# Altium PCB PCB_Layout_1.PcbDoc (part 1 of 3) (continued)
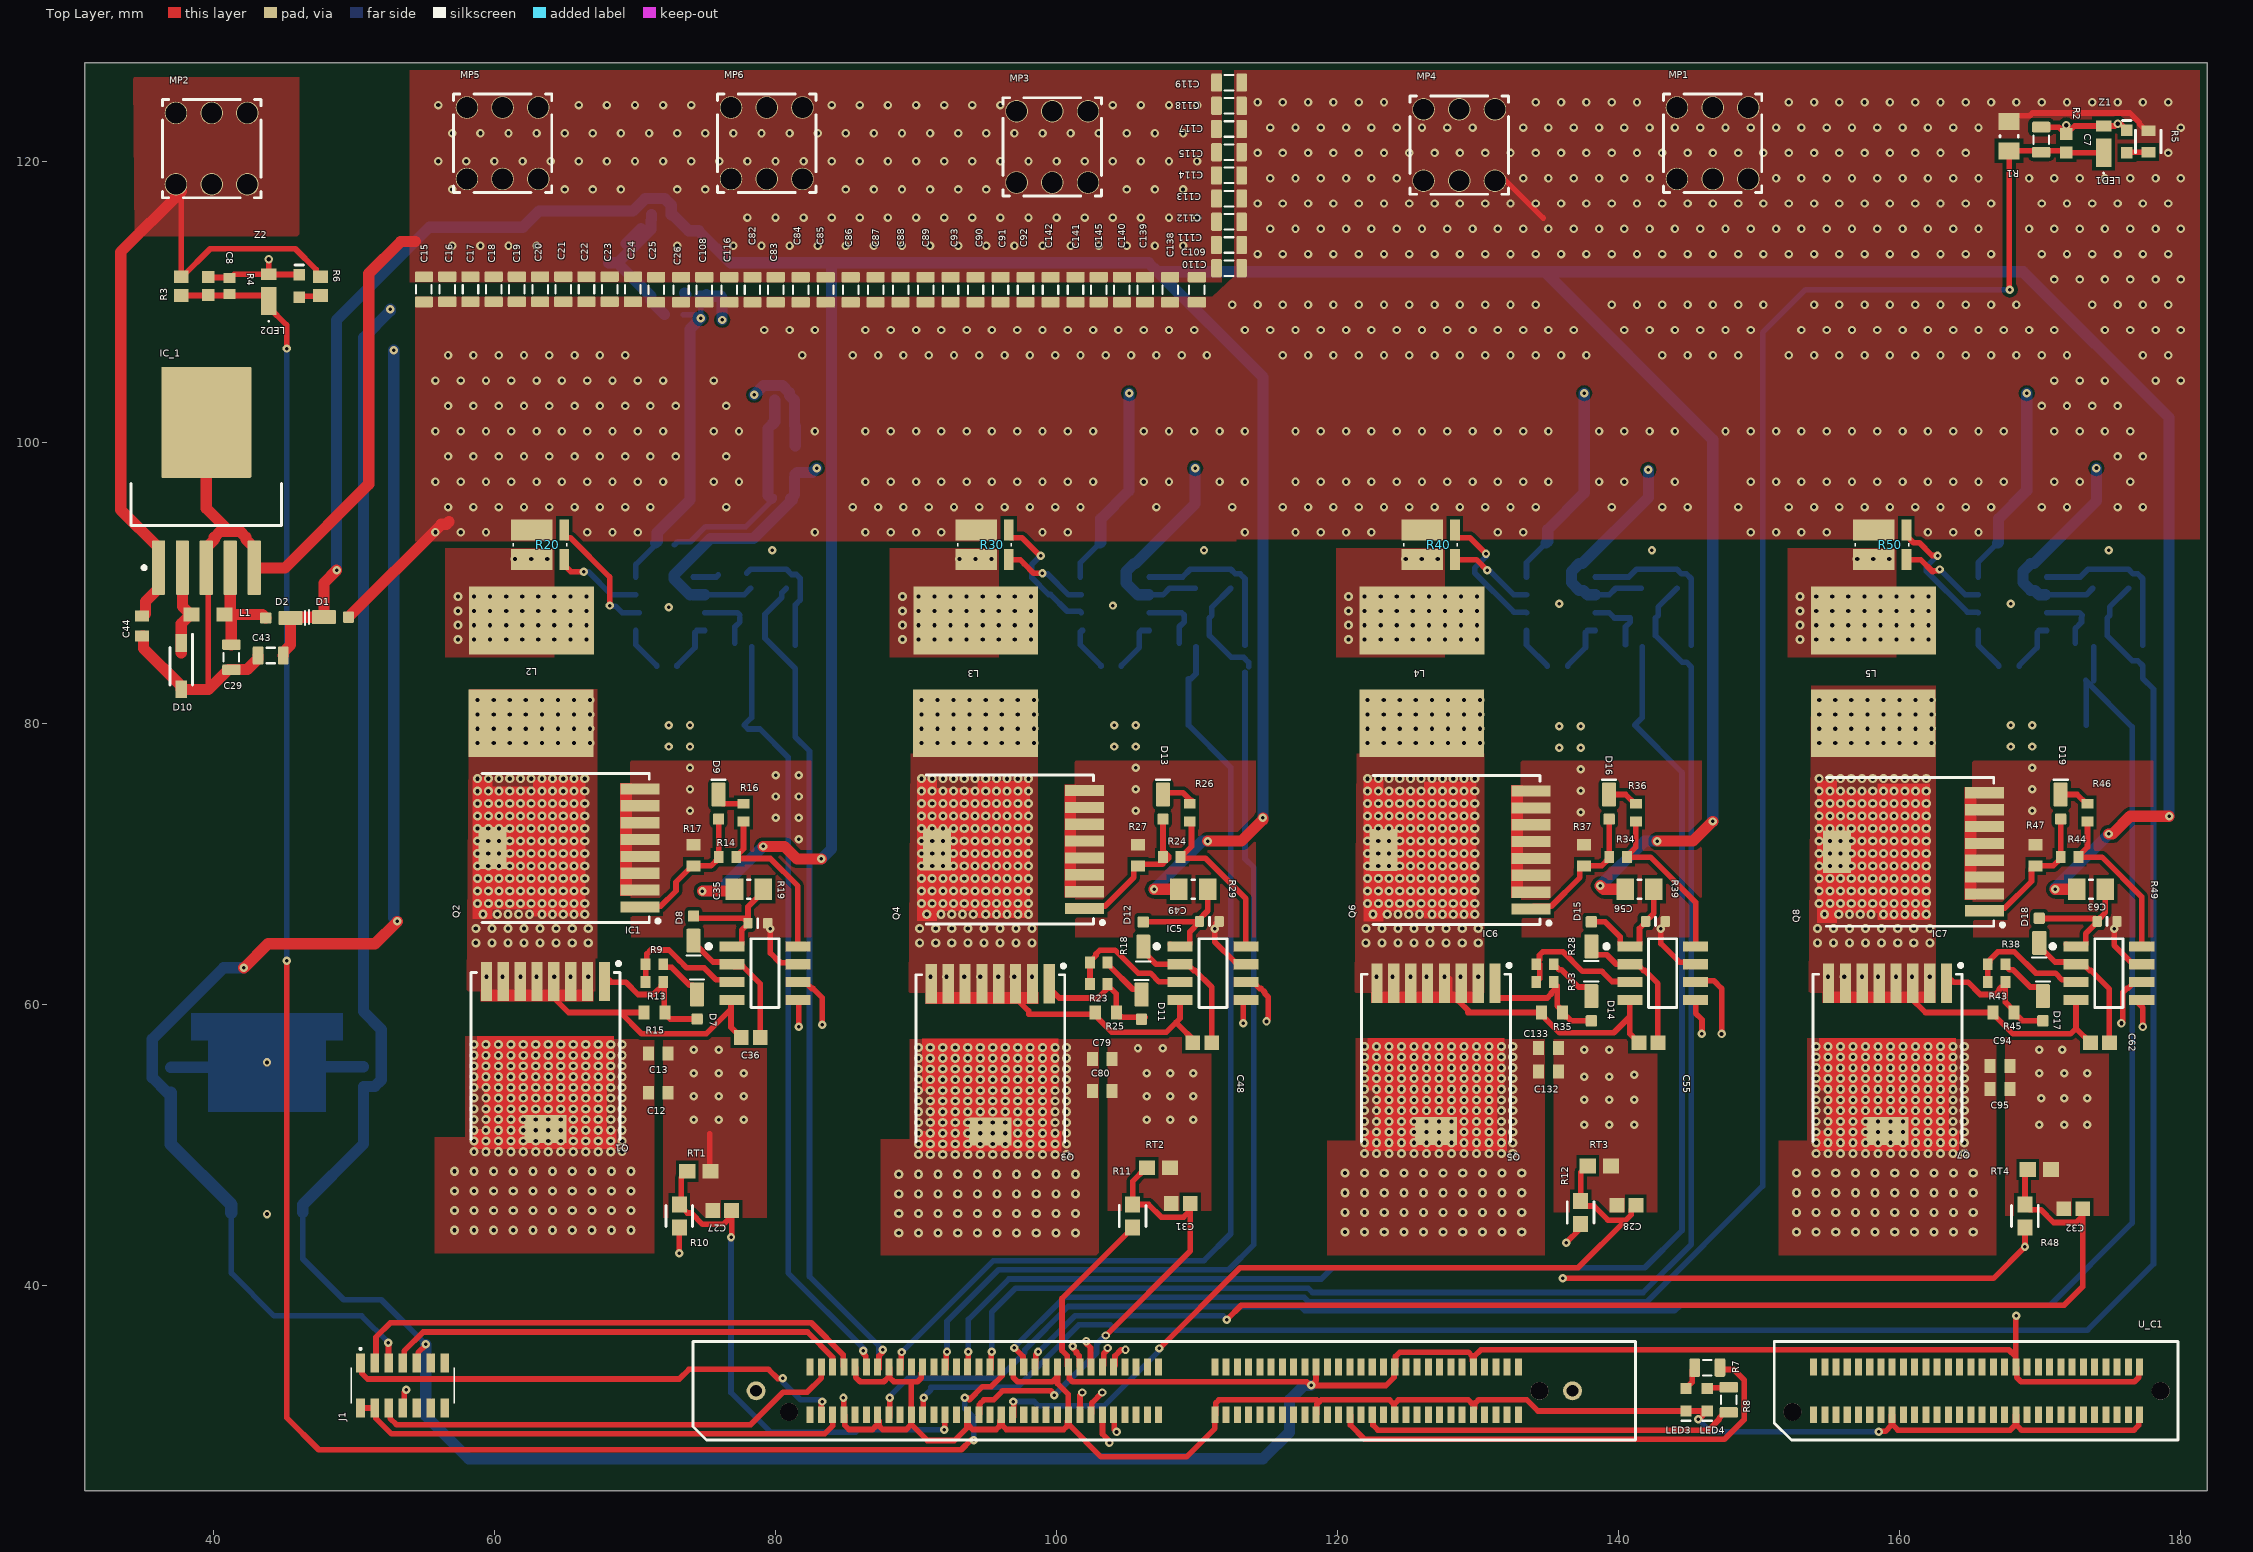
[diagram p0: Top Layer view]
## Components (designator, comment, footprint, x,y, rotation, side; value= is the part's Value field where it differs from the comment) (continued)
C106 "0.1uF" CAPC1608X90N 134.936,60.198 r0 bottom
C107 "0.1uF" CAPC1608X90N 134.936,51.308 r0 bottom
C108 "Capacitor 10µF +/-20% 25V 0805" CAPC0805(2012)145_L 74.93,110.871 r90 top value=10µF
C109 "Capacitor 10µF +/-20% 25V 0805" CAPC0805(2012)145_L 109.982,110.871 r90 top value=10µF
C110 "Capacitor 10µF +/-20% 25V 0805" CAPC0805(2012)145_L 112.268,112.395 r180 top value=10µF
C111 "Capacitor 10µF +/-20% 25V 0805" CAPC0805(2012)145_L 112.268,114.046 r180 top value=10µF
C112 "Capacitor 10µF +/-20% 25V 0805" CAPC0805(2012)145_L 112.268,115.697 r180 top value=10µF
C113 "Capacitor 10µF +/-20% 25V 0805" CAPC0805(2012)145_L 112.268,117.348 r180 top value=10µF
C114 "Capacitor 10µF +/-20% 25V 0805" CAPC0805(2012)145_L 112.268,118.999 r180 top value=10µF
C115 "Capacitor 10µF +/-20% 25V 0805" CAPC0805(2012)145_L 112.268,120.65 r180 top value=10µF
C116 "Capacitor 10µF +/-20% 25V 0805" CAPC0805(2012)145_L 76.708,110.871 r90 top value=10µF
C117 "Capacitor 10µF +/-20% 25V 0805" CAPC0805(2012)145_L 112.268,122.301 r180 top value=10µF
C118 "Capacitor 10µF +/-20% 25V 0805" CAPC0805(2012)145_L 112.268,123.952 r180 top value=10µF
C119 "Capacitor 10µF +/-20% 25V 0805" CAPC0805(2012)145_L 112.268,125.603 r180 top value=10µF
C120 "0.1uF" CAPC1608X90N 167.067,65.151 r0 bottom
C121 "0.1uF" CAPC1608X90N 167.067,63.881 r0 bottom
C122 "0.1uF" CAPC1608X90N 167.067,62.611 r0 bottom
C123 "0.1uF" CAPC1608X90N 167.067,61.341 r0 bottom
C124 "0.1uF" CAPC1608X90N 167.067,60.071 r0 bottom
C125 "0.1uF" CAPC1608X90N 167.067,58.801 r0 bottom
C126 "0.1uF" CAPC1608X90N 167.067,57.531 r0 bottom
C127 "0.1uF" CAPC1608X90N 167.067,56.261 r0 bottom
C128 "0.1uF" CAPC1608X90N 167.067,54.991 r0 bottom
C129 "0.1uF" CAPC1608X90N 167.067,53.721 r0 bottom
C130 "0.1uF" CAPC1608X90N 167.067,52.451 r0 bottom
C131 "0.1uF" CAPC1608X90N 167.067,51.181 r0 bottom
C132 "0.1uF" CAPC1608X90N 135.001,55.245 r0 top
C133 "0.1uF" CAPC1608X90N 135.001,56.896 r0 top
C138 "Capacitor 10µF +/-20% 25V 0805" CAPC0805(2012)145_L 108.077,110.871 r90 top value=10µF
C139 "Capacitor 10µF +/-20% 25V 0805" CAPC0805(2012)145_L 106.299,110.871 r90 top value=10µF
C140 "Capacitor 10µF +/-20% 25V 0805" CAPC0805(2012)145_L 104.648,110.871 r90 top value=10µF
C141 "Capacitor 10µF +/-20% 25V 0805" CAPC0805(2012)145_L 101.346,110.871 r90 top value=10µF
C142 "Capacitor 10µF +/-20% 25V 0805" CAPC0805(2012)145_L 99.568,110.871 r90 top value=10µF
C145 "Capacitor 10µF +/-20% 25V 0805" CAPC0805(2012)145_L 102.997,110.871 r90 top value=10µF
D1 "MSS1P4-M3/89A" "MicroSMP (DO-219AD)" 48.514,87.566 r0 top
D2 "MSS1P4-M3/89A" "MicroSMP (DO-219AD)" 44.831,87.503 r180 top
D7 "MSS1P4-M3/89A" "MicroSMP (DO-219AD)" 74.422,60.071 r270 top
D8 "MSS1P4-M3/89A" "MicroSMP (DO-219AD)" 74.168,65.194 r90 top
D9 "MSS1P4-M3/89A" "MicroSMP (DO-219AD)" 75.946,74.295 r270 top
D10 "PMEG6010CEGWX" SOD3616X130N 37.719,84.074 r270 top
D11 "MSS1P4-M3/89A" "MicroSMP (DO-219AD)" 106.045,60.056 r270 top
D12 "MSS1P4-M3/89A" "MicroSMP (DO-219AD)" 106.172,64.77 r90 top
D13 "MSS1P4-M3/89A" "MicroSMP (DO-219AD)" 107.569,74.295 r270 top
D14 "MSS1P4-M3/89A" "MicroSMP (DO-219AD)" 138.049,59.944 r270 top
D15 "MSS1P4-M3/89A" "MicroSMP (DO-219AD)" 138.049,64.785 r90 top
D16 "MSS1P4-M3/89A" "MicroSMP (DO-219AD)" 139.319,74.295 r270 top
D17 "MSS1P4-M3/89A" "MicroSMP (DO-219AD)" 170.18,59.944 r270 top
D18 "MSS1P4-M3/89A" "MicroSMP (DO-219AD)" 169.926,65.039 r90 top
D19 "MSS1P4-M3/89A" "MicroSMP (DO-219AD)" 171.45,74.295 r270 top
IC1 "IRS2011STRPBF" SOIC127P600X175-8N-12-V 79.248,62.23 r0 top
IC5 "IRS2011STRPBF" SOIC127P600X175-8N-12-V 111.125,62.23 r0 top
IC6 "IRS2011STRPBF" SOIC127P600X175-8N-12-V 143.129,62.23 r0 top
IC7 "IRS2011STRPBF" SOIC127P600X175-8N-12-V 174.879,62.23 r0 top
IC_1 "LM2575HVS-12/NOPB" KTT0005B_L 39.497,97.282 r90 top
IC_2 "LM3940ISX-3.3/NOPB" FP-KTT0003B-MFG 43.815,51.75 r180 bottom
IC_3 "L78M05ACDT-TR" TO-252_M 70.231,112.776 r180 bottom
IC_4 "MAX6018AEUR16+T" FP-U3-1-MFG 80.391,98.679 r180 bottom
J1 "CLM-107-02-L-D-K-TR" CLM-107-02-XX-D-Y-TR 53.467,32.893 r180 top
L1 "74479777310" "SMD 0805_A" 39.624,87.757 r0 top
L2 "Inductor (Ansys)" Inductor-Footprint-1 62.865,83.566 r180 top
L3 "Inductor (Ansys)" Inductor-Footprint-1 94.488,83.566 r180 top
L4 "Inductor (Ansys)" Inductor-Footprint-1 126.238,83.566 r180 top
L5 "Inductor (Ansys)" Inductor-Footprint-1 158.369,83.566 r180 top
LED1 "150060GS75000" 0603_A 176.16,121.411 r270 top
LED2 "150060GS75000" 0603_A 46.101,111.125 r270 top
LED3 "150060GS75000" 0603_A 144.78,31.877 r90 top
LED4 "150060GS75000" 0603_A 146.304,31.877 r90 top
MP1 "M3x5mm" "7461057_for chemical surfaces" 146.685,121.285 r0 top
MP2 "M3x5mm" "7461057_for chemical surfaces" 39.878,120.904 r0 top
MP3 "M3x5mm" "7461057_for chemical surfaces" 99.695,121.031 r0 top
MP4 "M3x5mm" "7461057_for chemical surfaces" 128.651,121.158 r0 top
MP5 "M3x5mm" "7461057_for chemical surfaces" 60.579,121.285 r0 top
MP6 "M3x5mm" "7461057_for chemical surfaces" 79.375,121.285 r0 top
Q1 "IPT026N10N5" INF-PG-HSOF-8-1-0-V 63.627,56.388 r270 top
Q2 "IPT026N10N5" INF-PG-HSOF-8-1-0-V 65.108,71.142 r180 top
Q3 "IPT026N10N5" INF-PG-HSOF-8-1-0-V 95.285,56.218 r270 top
Q4 "IPT026N10N5" INF-PG-HSOF-8-1-0-V 96.731,71.028 r180 top
Q5 "IPT026N10N5" INF-PG-HSOF-8-1-0-V 127,56.261 r270 top
Q6 "IPT026N10N5" INF-PG-HSOF-8-1-0-V 128.507,70.993 r180 top
Q7 "IPT026N10N5" INF-PG-HSOF-8-1-0-V 159.131,56.261 r270 top
Q8 "IPT026N10N5" INF-PG-HSOF-8-1-0-V 160.782,70.866 r180 top
R1 "Resistor 10k +/-1% 0805 125 mW" RESC2013X50X35ML15T15 167.778,121.792 r270 top value=10k
R2 "1KR5J" RESC0805(2012)_L 170.064,121.538 r270 top value=1kΩ
R3 "CRCW060315K0FKEA" RESC1609X50X30ML10T20 37.719,111.125 r90 top
R4 "CRCW0603750RFKEA" RESC1609X50X30LL10T20 41.148,111.125 r270 top
R5 "CRCW06033K00FKEA" FP-CRCW0603-e3-MFG 177.684,121.411 r270 top
R6 "CRCW060315K0FKEA" RESC1609X50X30ML10T20 47.625,111.125 r270 top
R7 "470R5J" RESC0805(2012)_L 146.304,34.163 r180 top value=470Ω
R8 "470R5J" RESC0805(2012)_L 147.828,31.877 r90 top value=470Ω
R9 "ERJ-3RQF1R8V" RESC1608X55X30LL15T15 71.384,62.865 r0 top
R10 "CRCW06031K80FKEA" FP-CRCW0603-e3-IPC_A 73.152,44.958 r90 top
R11 "CRCW06031K80FKEA" FP-CRCW0603-e3-IPC_A 105.41,44.958 r90 top
R12 "CRCW06031K80FKEA" FP-CRCW0603-e3-IPC_A 137.287,45.212 r90 top
R13 "ERJ-3RQF1R8V" RESC1608X55X30LL15T15 71.384,61.595 r0 top
R14 "ERJ-3RQF1R8V" RESC1608X55X30LL15T15 76.581,70.485 r180 top
R15 "Resistor 10k +/-1% 0603 100 mW" RESC1608X55X25ML10T15 71.386,59.436 r180 top value=10k
R16 "ERJ-3RQF1R8V" RESC1608X55X30LL15T15 77.724,73.66 r90 top
R17 "Resistor 10k +/-1% 0603 100 mW" RESC1608X55X25ML10T15 74.168,70.612 r90 top value=10k
R18 "ERJ-3RQF1R8V" RESC1608X55X30LL15T15 102.997,62.992 r0 top
R19 "CRCW08050000Z0EAHP" RESC2013X50X30ML20T20 78.105,68.199 r0 top
R20 "WSK12161L000FEA" WSK12161L000FEA 63.246,92.71 r0 top
R21 "CRCW06033R30FKEA" FP-CRCW0603-e3-IPC_C 77.724,85.725 r0 bottom
R22 "470R5J" RESC0805(2012)_L 78.359,87.503 r0 bottom value=470Ω
R23 "ERJ-3RQF1R8V" RESC1608X55X30LL15T15 102.997,61.468 r0 top
R24 "ERJ-3RQF1R8V" RESC1608X55X30LL15T15 108.204,70.485 r180 top
R25 "Resistor 10k +/-1% 0603 100 mW" RESC1608X55X25ML10T15 103.505,59.436 r180 top value=10k
R26 "ERJ-3RQF1R8V" RESC1608X55X30LL15T15 109.474,73.66 r90 top
R27 "Resistor 10k +/-1% 0603 100 mW" RESC1608X55X25ML10T15 105.791,70.612 r90 top value=10k
R28 "ERJ-3RQF1R8V" RESC1608X55X30LL15T15 134.757,62.865 r0 top
R29 "CRCW08050000Z0EAHP" RESC2013X50X30ML20T20 109.728,68.199 r0 top
R30 "WSK12161L000FEA" WSK12161L000FEA 94.869,92.71 r0 top
R31 "CRCW06033R30FKEA" FP-CRCW0603-e3-IPC_C 109.347,85.725 r0 bottom
R32 "470R5J" RESC0805(2012)_L 109.982,87.503 r0 bottom value=470Ω
R33 "ERJ-3RQF1R8V" RESC1608X55X30LL15T15 134.757,61.595 r0 top
R34 "ERJ-3RQF1R8V" RESC1608X55X30LL15T15 139.954,70.485 r180 top
R35 "Resistor 10k +/-1% 0603 100 mW" RESC1608X55X25ML10T15 135.255,59.436 r180 top value=10k
R36 "ERJ-3RQF1R8V" RESC1608X55X30LL15T15 141.224,73.66 r90 top
R37 "Resistor 10k +/-1% 0603 100 mW" RESC1608X55X25ML10T15 137.541,70.612 r90 top value=10k
R38 "ERJ-3RQF1R8V" RESC1608X55X30LL15T15 166.888,62.865 r0 top
R39 "CRCW08050000Z0EAHP" RESC2013X50X30ML20T20 141.478,68.199 r0 top
R40 "WSK12161L000FEA" WSK12161L000FEA 126.619,92.71 r0 top
R41 "CRCW06033R30FKEA" FP-CRCW0603-e3-IPC_C 141.097,85.598 r0 bottom
R42 "470R5J" RESC0805(2012)_L 141.732,87.503 r0 bottom value=470Ω
R43 "ERJ-3RQF1R8V" RESC1608X55X30LL15T15 166.888,61.595 r0 top
R44 "ERJ-3RQF1R8V" RESC1608X55X30LL15T15 172.085,70.485 r180 top
R45 "Resistor 10k +/-1% 0603 100 mW" RESC1608X55X25ML10T15 167.386,59.436 r180 top value=10k
R46 "ERJ-3RQF1R8V" RESC1608X55X30LL15T15 173.355,73.66 r90 top
R47 "Resistor 10k +/-1% 0603 100 mW" RESC1608X55X25ML10T15 169.672,70.612 r90 top value=10k
R48 "CRCW06031K80FKEA" FP-CRCW0603-e3-IPC_A 168.91,44.958 r90 top
R49 "CRCW08050000Z0EAHP" RESC2013X50X30ML20T20 173.609,68.199 r0 top
R50 "WSK12161L000FEA" WSK12161L000FEA 158.75,92.71 r0 top
R51 "CRCW06033R30FKEA" FP-CRCW0603-e3-IPC_C 173.101,85.725 r0 bottom
R52 "470R5J" RESC0805(2012)_L 173.863,87.503 r0 bottom value=470Ω
RT1 "TFPT0603L1001FV" RESC1609X55X30ML10T20 74.549,48.133 r0 top
RT2 "TFPT0603L1001FV" RESC1609X55X30ML10T20 107.252,48.387 r0 top
RT3 "TFPT0603L1001FV" RESC1609X55X30ML10T20 138.62,48.514 r0 top
RT4 "TFPT0603L1001FV" RESC1609X55X30ML10T20 169.926,48.26 r0 top
U1 "LT1999HS8-20#TRPBF" LT-S8-8_L 72.644,88.519 r0 bottom
U2 "LT1999HS8-20#TRPBF" LT-S8-8_L 104.204,88.519 r0 bottom
U3 "LT1999HS8-20#TRPBF" LT-S8-8_L 135.89,88.519 r0 bottom
U4 "LT1999HS8-20#TRPBF" LT-S8-8_L 168.021,88.519 r0 bottom
U_C1 "TMDSCNCD28379D" TMDSCNCD28379D-Footprint-1 136.746,32.456 r0 top
Z1 "YFZVFHTR4.3B" YFZVFHTR43B 174.509,121.411 r90 top
Z2 "YFZVFHTR4.3B" YFZVFHTR43B 43.942,110.871 r90 top
Z3 "YFZVFHTR4.3B" YFZVFHTR43B 76.962,83.185 r180 bottom
Z4 "YFZVFHTR4.3B" YFZVFHTR43B 81.407,84.455 r90 bottom
Z5 "YFZVFHTR4.3B" YFZVFHTR43B 108.547,83.058 r180 bottom
Z6 "YFZVFHTR4.3B" YFZVFHTR43B 113.411,84.455 r90 bottom
Z7 "YFZVFHTR4.3B" YFZVFHTR43B 140.297,83.058 r180 bottom
Z8 "YFZVFHTR4.3B" YFZVFHTR43B 145.161,84.455 r90 bottom
Z9 "YFZVFHTR4.3B" YFZVFHTR43B 172.428,83.058 r180 bottom
Z10 "YFZVFHTR4.3B" YFZVFHTR43B 177.292,84.455 r90 bottom

## Footprints (in the part's own frame and the unit in brackets; to place one, negate y for a bottom-side part, rotate by r counter-clockwise, add the part's x,y. Pads: shape width x height; smd on the part's side, far side on the other; paste and mask are expansions set on the pad)
0603_A [mm] "Chip LED, 2-Leads, Body 1.6x0.8mm, IPC Medium Density"
  rect 0.8x0.8 smd: 1(-0.8,0) 2(0.8,0)
  silkscreen extent -1.5,-0.3 -1.5,0.3, body extent -0.8,-0.4 0.8,0.4, height 0.7
"7461057_for chemical surfaces" [mm] "WP-BUTR Bushes with two Rows Pin-Plate, M3, blind thr 6mm"
  round 1.6 hole 1.475: 1(-2.54,-2.54) 1(-2.54,2.54) 1(0,-2.54) 1(0,2.54) 1(2.54,-2.54) 1(2.54,2.54)
  silkscreen extent -3.5,-3.5 3.5,3.5, body extent -3.5,-3.5 3.5,3.5, height 6
CAPC0603(1608)100_L [mm] "Chip Capacitor, Body 1.6x0.8mm, Height 1.0mm, IPC High Density"
  rrect25% 0.66x0.76 smd: 1(-0.7,0) 2(0.7,0)
  silkscreen extent 0,-0.3 0,0.3, body extent -0.8,-0.4 0.8,0.4, height 0.95
CAPC0805(2012)145_L [mm] "Chip Capacitor, Body 2.0x1.2mm, Height 1.45mm, IPC High Density"
  rrect25% 0.76x1.3 smd: 1(-0.9,0) 2(0.89,0)
  silkscreen extent -0.3,-0.55 0.3,0.55, body extent -1,-0.6 1,0.6, height 1.45
CAPC1608X87X35ML15T15 [mm] "Chip Capacitor, 2-Leads, Body 1.75x0.95mm, IPC Low Density"
  rect 1x1.1 smd: 1(-0.725,0) 2(0.725,0)
  body extent -0.87,-0.48 0.88,0.47, height 0.87
CAPC1608X90N [mm]
  rect 0.78x0.99 smd: 1(-0.7,0) 2(0.7,0)
  body extent -0.8,-0.4 0.8,0.4, height 0.9
CAPC1608X90X35LL15T15 [mm] "Chip Capacitor, 2-Leads, Body 1.60x0.81mm, IPC High Density"
  rect 0.85x0.9 smd: 1(-0.65,0) 2(0.65,0)
  body extent -0.88,-0.48 0.87,0.48, height 0.9
CAPC1608X90X40ML10T20 [mm] "Chip Capacitor, 2-Leads, Body 1.70x0.90mm, IPC Low Density"
  rect 1.05x1.05 smd: 1(-0.675,0) 2(0.675,0)
  body extent -0.85,-0.45 0.85,0.45, height 0.9
CLM-107-02-XX-D-Y-TR [mm]
  rect 0.61x1.37 smd: 1(3,-1.601) 2(3,1.601) 3(2,-1.601) 4(2,1.601) 5(1,-1.601) 6(1,1.601) 7(0,-1.601) 8(0,1.601) 9(-1,-1.601) 10(-1,1.601) 11(-2,-1.601) 12(-2,1.601) 13(-3,-1.601) 14(-3,1.601)
  silkscreen extent -3.66,-2.65 3.66,1.27
FP-CRCW0603-e3-IPC_A [mm]
  rect 1.135x1.062 smd paste+0 mask+0: 1(-0.815,0) 2(0.815,0)
  silkscreen extent -0.75,-0.95 0.75,0.95, body extent -1.88,-1.03 1.88,1.03, height 0.25
FP-CRCW0603-e3-IPC_C [mm]
  rect 0.735x0.862 smd paste+0 mask+0: 1(-0.615,0) 2(0.615,0)
  silkscreen extent -0.75,-0.85 0.75,0.85, body extent -0.77,-0.43 0.77,0.43, height 0.5
FP-CRCW0603-e3-MFG [mm]
  rect 0.75x1 smd paste+0 mask+0: 1(-0.75,0) 2(0.75,0)
  silkscreen extent -0.8,-0.9 0.8,0.9, body extent -1.22,-0.6 1.22,0.6, height 0.25
FP-KTT0003B-MFG [mm]
  rect 1.07x2.16 smd paste+0 mask+0: 1(-2.54,-6.545) 2(0,-6.545) 3(2.54,-6.545)
  round 6.291 smd paste+0 mask+0: 4(0,4.13)
  Top Layer region: 5.4,7.625 -5.4,7.625 -5.4,5.715 -4.165,5.715 -4.165,0.635 4.165,0.635 4.165,5.715 5.4,5.715 5.4,7.625
  silkscreen extent -5.93,-5.59 5.21,0.26, body extent -5.08,-7.23 5.08,7.15, height 4.79
FP-U3-1-MFG [mm]
  rect 1.28x0.55 smd paste+0 mask+0: 1(-1.015,0.95) 2(-1.015,-0.95) 3(1.015,0)
  silkscreen extent -0.7,-1.52 0.7,1.52, body extent -1.17,-1.46 1.18,1.46, height 1.12
Inductor-Footprint-1 [mil]
  rect 350x190 smd: 1(10,140) 2(9.46,-148.37)
INF-PG-HSOF-8-1-0-V [mm] "HSOF-8-1,1.2mm pitch;8 pin,10.375mm W X 9.9mm L X 2.4mm H body (w/thermal tab)"
  rect 2.8x0.8 smd paste-2.8 mask+0: 1(-5.25,4.2) 2(-5.25,3) 3(-5.25,1.8) 4(-5.25,0.6) 5(-5.25,-0.6) 6(-5.25,-1.8) 7(-5.25,-3) 8(-5.25,-4.2)
  rect 2x3 smd paste-3 mask-3: 9(5.25,0)
  Top Layer region: 6.65,5.05 6.65,-5.05 5.25,-5.05 5.25,-4.35 2.35,-4.35 2.35,-4.85 -1.35,-4.85 -1.35,4.85 2.35,4.85 2.35,4.35 5.25,4.35 5.25,5.05
  Top Layer region: -3.85,3.4 -3.85,-4.6 -4.65,-4.6 -4.65,3.4
  silkscreen extent -6.65,-5.3 6,5.32, body extent -5.84,-4.95 5.84,4.95, height 2.31
KTT0005B_L [mm] "DPAK, 5-Leads, Body 10.65x9.65mm, Pitch 1.7mm, IPC High Density"
  rrect11% 3.85x0.95 smd: 1(-6.2,3.4) 2(-6.2,1.7) 3(-6.2,0) 4(-6.2,-1.7) 5(-6.2,-3.4)
  rrect2% 7.9x6.4 smd: 6(4.15,0)
  silkscreen extent -6.32,-5.35 -0.2,5.35, body extent -3.2,-5.32 6.45,5.33, height 4.83
LT-S8-8_L [mm] "SOIC, 8-Leads, Body 4.9x3.9mm, Pitch 1.27mm, IPC High Density"
  oval 1.9x0.6 smd: 1(-2.35,1.905) 2(-2.35,0.635) 3(-2.35,-0.635) 4(-2.35,-1.905) 5(2.35,-1.905) 6(2.35,-0.635) 7(2.35,0.635) 8(2.35,1.905)
  silkscreen extent -2.47,-2.5 1,2.88, body extent -2,-2.5 2,2.5, height 1.76
"MicroSMP (DO-219AD)" [mm] "SOD, 2-Leads, Body 2.3x1.4mm"
  rrect15% 1.7x1 smd: 1(-0.65,0)
  rrect20% 0.8x0.8 smd: 2(1.1,0)
  silkscreen extent -1.7,-0.5 -1.7,0.5, body extent -1.35,-0.7 1.35,0.7, height 0.73
RESC0805(2012)_L [mm] "Chip Resistor, Body 2.0x1.3mm, IPC High Density"
  rrect25% 0.76x1.3 smd: 1(-0.9,0) 2(0.89,0)
  silkscreen extent -0.3,-0.55 0.3,0.55, body extent -1,-0.62 1,0.63, height 0.6
RESC1608X55X25ML10T15 [mm] "Chip Resistor, 2-Leads, Body 1.70x0.90mm, IPC Low Density"
  rect 0.8x1 smd: 1(-0.75,0) 2(0.75,0)
  body extent -0.85,-0.45 0.85,0.45, height 0.55
RESC1608X55X30LL15T15 [mm] "Chip Resistor, 2-Leads, Body 1.60x0.80mm, IPC High Density"
  rect 0.7x0.85 smd: 1(-0.625,0) 2(0.625,0)
  body extent -0.87,-0.48 0.87,0.48, height 0.55
RESC1609X50X30LL10T20 [mm] "Chip Resistor, 2-Leads, Body 1.55x0.85mm, IPC High Density"
  rect 0.7x0.85 smd: 1(-0.575,0) 2(0.575,0)
  body extent -0.82,-0.48 0.82,0.48, height 0.5
RESC1609X50X30ML10T20 [mm] "Chip Resistor, 2-Leads, Body 1.55x0.85mm, IPC Low Density"
  rect 0.9x1.05 smd: 1(-0.675,0) 2(0.675,0)
  body extent -0.82,-0.48 0.82,0.48, height 0.5
RESC1609X55X30ML10T20 [mm] "Chip Resistor, 2-Leads, Body 1.60x0.85mm, IPC Low Density"
  rect 1.15x1.05 smd: 1(-0.825,0) 2(0.825,0)
  body extent -0.85,-0.48 0.85,0.48, height 0.55
RESC2013X50X30ML20T20 [mm] "Chip Resistor, 2-Leads, Body 2.00x1.25mm, IPC Low Density"
  rect 1.25x1.55 smd: 1(-1.025,0) 2(1.025,0)
  silkscreen extent -0.1,-0.67 0.1,0.67, body extent -1.1,-0.72 1.1,0.72, height 0.5
RESC2013X50X35ML15T15 [mm] "Chip Resistor, 2-Leads, Body 2.2x1.4mm, IPC Low Density"
  rect 1.2x1.5 smd: 1(-1.05,0) 2(1.05,0)
  silkscreen extent -0.05,-0.65 0.05,0.65, body extent -1.1,-0.7 1.1,0.7, height 0.5
"SMD 0805_A" [mm] "Chip Inductor, 2-Leads, Body 2,0x1,2mm"
  rect 1.15x1 smd: 1(-1.175,0) 2(1.175,0)
  body extent -1,-0.6 1,0.6, height 0.89
SOD3616X130N [mm]
  rect 1.25x0.8 smd: 1(-1.65,0) 2(1.65,0)
  silkscreen extent -2.27,-0.8 1.34,0.8, body extent -1.8,-0.8 1.8,0.8, height 1.3
SOIC127P600X175-8N-12-V [mm] "SOIC,1.27mm pitch;8 pin,3.90mm W X 4.90mm L X 1.75mm H body"
  rect 1.78x0.72 smd paste+0 mask+0: 1(-2.34,1.905) 2(-2.34,0.635) 3(-2.34,-0.635) 4(-2.34,-1.905) 5(2.34,-1.905) 6(2.34,-0.635) 7(2.34,0.635) 8(2.34,1.905)
  silkscreen extent -4.15,-2.45 1,2.45, body extent -3,-2.45 3,2.45, height 1.76
TMDSCNCD28379D-Footprint-1 [mm]
  rect 0.5x1.2 smd: 1(-54.283,-1.644) 2(-54.283,1.756) 3(-53.483,-1.644) 4(-53.483,1.756) 5(-52.683,-1.644) 6(-52.683,1.756) 7(-51.883,-1.644) 8(-51.883,1.756) 9(-51.083,-1.644) 10(-51.083,1.756) 11(-50.283,-1.644) 12(-50.283,1.756) 13(-49.483,-1.644) 14(-49.483,1.756) 15(-48.683,-1.644) 16(-48.683,1.756) 17(-47.883,-1.644) 18(-47.883,1.756) 19(-47.083,-1.644) 20(-47.083,1.756) 21(-46.283,-1.644) 22(-46.283,1.756) 23(-45.483,-1.644) 24(-45.483,1.756) 25(-44.683,-1.644) 26(-44.683,1.756) 27(-43.883,-1.644) 28(-43.883,1.756) 29(-43.083,-1.644) 30(-43.083,1.756) 31(-42.283,-1.644) 32(-42.283,1.756) 33(-41.483,-1.644) 34(-41.483,1.756) 35(-40.683,-1.644) 36(-40.683,1.756) 37(-39.883,-1.644) 38(-39.883,1.756) 39(-39.083,-1.644) 40(-39.083,1.756) 41(-38.283,-1.644) 42(-38.283,1.756) 43(-37.483,-1.644) 44(-37.483,1.756) 45(-36.683,-1.644) 46(-36.683,1.756) 47(-35.883,-1.644) 48(-35.883,1.756) 49(-35.083,-1.644) 50(-35.083,1.756) 51(-34.283,-1.644) 52(-34.283,1.756) 53(-33.483,-1.644) 54(-33.483,1.756) 55(-32.683,-1.644) 56(-32.683,1.756) 57(-31.883,-1.644) 58(-31.883,1.756) 59(-31.083,-1.644) 60(-31.083,1.756) 61(-30.283,-1.644) 62(-30.283,1.756) 63(-29.483,-1.644) 64(-29.483,1.756) 65(-25.483,-1.644) 66(-25.483,1.756) 67(-24.683,-1.644) 68(-24.683,1.756) 69(-23.883,-1.644) 70(-23.883,1.756) 71(-23.083,-1.644) 72(-23.083,1.756) 73(-22.283,-1.644) 74(-22.283,1.756) 75(-21.483,-1.644) 76(-21.483,1.756) 77(-20.683,-1.644) 78(-20.683,1.756) 79(-19.883,-1.644) 80(-19.883,1.756) 81(-19.083,-1.644) 82(-19.083,1.756) 83(-18.283,-1.644) 84(-18.283,1.756) 85(-17.483,-1.644) 86(-17.483,1.756) 87(-16.683,-1.644) 88(-16.683,1.756) 89(-15.883,-1.644) 90(-15.883,1.756) 91(-15.083,-1.644) 92(-15.083,1.756) 93(-14.283,-1.644) 94(-14.283,1.756) 95(-13.483,-1.644) 96(-13.483,1.756) 97(-12.683,-1.644) 98(-12.683,1.756) 99(-11.883,-1.644) 100(-11.883,1.756) 101(-11.083,-1.644) 102(-11.083,1.756) 103(-10.283,-1.644) 104(-10.283,1.756) 105(-9.483,-1.644) 106(-9.483,1.756) 107(-8.683,-1.644) 108(-8.683,1.756) 109(-7.883,-1.644) 110(-7.883,1.756) 111(-7.083,-1.644) 112(-7.083,1.756) 113(-6.283,-1.644) 114(-6.283,1.756) 115(-5.483,-1.644) 116(-5.483,1.756) 117(-4.683,-1.644) 118(-4.683,1.756) 119(-3.883,-1.644) 120(-3.883,1.756)
  rect 0.5x1.2 smd mask+0: 121(17.117,-1.644) 122(17.117,1.76) 123(17.917,-1.644) 124(17.917,1.76) 125(18.717,-1.644) 126(18.717,1.76) 127(19.517,-1.644) 128(19.517,1.76) 129(20.317,-1.644) 130(20.317,1.76) 131(21.117,-1.644) 132(21.117,1.76) 133(21.917,-1.644) 134(21.917,1.76) 135(22.717,-1.644) 136(22.717,1.76) 137(23.517,-1.644) 138(23.517,1.76) 139(24.317,-1.644) 140(24.317,1.76) 141(25.118,-1.644) 142(25.118,1.76) 143(25.918,-1.644) 144(25.918,1.76) 145(26.718,-1.644) 146(26.718,1.76) 147(27.518,-1.644) 148(27.518,1.76) 149(28.318,-1.644) 150(28.318,1.76) 151(29.118,-1.644) 152(29.118,1.76) 153(29.918,-1.644) 154(29.918,1.76) 155(30.718,-1.644) 156(30.718,1.76) 157(31.518,-1.644) 158(31.518,1.76) 159(32.318,-1.644) 160(32.318,1.76) 161(33.119,-1.644) 162(33.119,1.76) 163(33.919,-1.644) 164(33.919,1.76) 165(34.719,-1.644) 166(34.719,1.76) 167(35.519,-1.644) 168(35.519,1.76) 169(36.319,-1.644) 170(36.319,1.76) 171(37.119,-1.644) 172(37.119,1.76) 173(37.919,-1.644) 174(37.919,1.76) 175(38.719,-1.644) 176(38.719,1.76) 177(39.519,-1.644) 178(39.519,1.76) 179(40.319,-1.644) 180(40.319,1.76)
  round 1.348 hole 0.84: P1(-58.133,0.056) P2(-0.033,0.056)
  round 1.27 hole 1.27 unplated: ""(-55.783,-1.444) ""(-2.383,0.056) ""(15.618,-1.441) ""(41.818,0.058)
  silkscreen extent -62.61,-3.44 43.04,3.56, body extent -62.63,-3.47 43.02,3.53, height 12.2
TO-252_M [mm] "D-PAK, 4-Leads, Body 6.1x6.5mm, Pitch 2.28mm, Lead Span 9.7mm, IPC Low Density"
  rect 2.4x1 smd: 1(-4.3,2.28) 3(-4.3,-2.28)
  rect 6.8x5.55 smd: 4(2.1,0)
  silkscreen extent -4.43,-3.3 -1.7,3.45, body extent -1.95,-3.3 4.25,3.3, height 2.4
WSK12161L000FEA [mm]
  rect 2.95x1.495 smd: 1(-0.6,-1.053) 4(-0.6,1.053)
  rect 0.7x1.495 smd: 2(1.725,-1.053) 3(1.725,1.053)
  silkscreen extent -1.91,-0.1 1.9,0.1, body extent -1.93,-1.73 2,1.73, height 2
YFZVFHTR43B [mm]
  rect 2x1.1 smd: 1(-0.8,0)
  rect 0.8x1.1 smd: 2(1.1,0)
  silkscreen extent -2.3,-0.05 -2.2,0.05, body extent -1.69,-0.7 1.42,0.7, height 0.9

## Part data
C1 C2 C3 C4 C5 C6 C9 C10 C11 C12 C13 C14 C44 C69 C70 C71 C72 C73 C74 C75 C76 C77 C78 C79 C80 C81 C94 C95 C96 C97 C98 C99 C100 C101 C102 C103 C104 C105 C106 C107 C120 C121 C122 C123 C124 C125 C126 C127 C128 C129 C130 C131 C132 C133: library part 06031C104K4T2A, "Capacitor", Manufacturer_Name=AVX, Mouser Part Number=581-06031C104K4T2A, Datasheet Link=https://componentsearchengine.com/Datasheets/1/06031A100FAT2A.pdf, Height=0.9mm, Manufacturer_Part_Number=06031C104K4T2A, Mouser Price/Stock=https://www.mouser.co.uk/ProductDetail/AVX/06031C104K4T2A?qs=7MVldsJ5UaycASOsZ6%2FbJQ%3D%3D
C7 C8: library part CMP-2006-04378-1, Manufacturer="AVX Interconnect / Elco", Part Number=06035C102KAT2A
C15 C16 C17 C18 C19 C20 C21 C22 C23 C24 C25 C26 C29 C43 C82 C83 C84 C85 C86 C87 C88 C89 C90 C91 C92 C93 C108 C109 C110 C111 C112 C113 C114 C115 C116 C117 C118 C119 C138 C139 C140 C141 C142 C145: library part CMP-001-00079-2, "Chip Capacitor, 10µF +/-20%, 25V, 0805, Thickness 1.45 mm", Case/Package=0603, Max Operating Temperature=85°C, Min Operating Temperature=-55°C, Tolerance=10%, Voltage Rating=25V, Mounting Technology=SMT, Pins=2
C27 C28 C31 C32 C36 C38 C39 C40 C41 C47 C48 C51 C52 C53 C54 C55 C58 C59 C60 C61 C62 C65 C66 C67 C68: library part CMP-001-00017-4, "Chip Capacitor, 100 nF, +/- 10%, 50 V, 0603 (1608 Metric)", Capacitor Type=Ceramic, Case/Package=0603, Max Operating Temperature=125°C, Min Operating Temperature=-55°C, Tolerance=10%, Voltage Rating=50V, Mounting Technology=SM, Pins=2, RoHS Compliant=True
C30 C34 C35 C42 C45 C46: library part CMP-001-00055-2, "Chip Capacitor, 1µF +/-0.1%, 25V, 0603, Thickness 1 mm", Case/Package=0603, Max Operating Temperature=85°C, Min Operating Temperature=-55°C, Tolerance=20%, Voltage Rating=25V, Mounting Technology=SMT, Pins=2
C33: library part CMP-001-00054-2, "Chip Capacitor, 100µF +/-20%, 6.3V, 0805, Thickness 1.45 mm", Case/Package=0402, Max Operating Temperature=85°C, Min Operating Temperature=-55°C, Tolerance=10%, Voltage Rating=6.3V, Mounting Technology=SMT, Pins=2
C37 C50 C57 C64: library part CMP-001-00012-4, "Chip Capacitor, 10 pF, +/- 0.25 pF, 50 V, 0603 (1608 Metric)", Capacitor Type=Ceramic, Case/Package=0603, Max Operating Temperature=125°C, Min Operating Temperature=-55°C, Tolerance=0.25%, Voltage Rating=50V, Mounting Technology=SM, Pins=2, RoHS Compliant=True
C49 C56 C63: library part CMP-001-00055-2, "Chip Capacitor, 1µF +/-0.1%, 25V, 0603, Thickness 1 mm", Case/Package=0805, Max Operating Temperature=85°C, Min Operating Temperature=-55°C, Tolerance=20%, Voltage Rating=25V, Mounting Technology=SMT, Pins=2
D1 D2 D7 D8 D9 D11 D12 D13 D14 D15 D16 D17 D18 D19: library part CMP-004-00024-2, "Schottky Diodes & Rectifiers 1.0 Amp 40 Volt", Forward Voltage=460mV, Max Operating Temperature=150°C, Max Surge Current=25A, Min Operating Temperature=-55°C, Mounting Technology=SMT, Pins=2
D10: "Diode", Manufacturer_Name=Nexperia, Mouser Part Number=841-PMEG6010CEGWX, Arrow Part Number=PMEG6010CEGWX, Arrow Price/Stock=https://www.arrow.com/en/products/pmeg6010cegwx/nexperia, Datasheet Link=https://componentsearchengine.com/Datasheets/2/PMEG6010CEGWX.pdf, Height=1.3mm, Manufacturer_Part_Number=PMEG6010CEGWX, Mouser Price/Stock=https://www.mouser.co.uk/ProductDetail/Nexperia/PMEG6010CEGWX?qs=EO%252B2iqeaG01UFtX9P5mUZA%3D%3D
IC1 IC5 IC6 IC7: "Integrated Circuit", Manufacturer_Name=Infineon, Mouser Part Number=942-IRS2011STRPBF, Arrow Part Number=IRS2011STRPBF, Arrow Price/Stock=https://www.arrow.com/en/products/irs2011strpbf/infineon-technologies-ag, Datasheet Link=https://componentsearchengine.com/Datasheets/1/IRS2011STRPBF.pdf, Height=1.75mm, Manufacturer_Part_Number=IRS2011STRPBF, Mouser Price/Stock=https://www.mouser.co.uk/ProductDetail/Infineon-IR/IRS2011STRPBF?qs=9%252BKlkBgLFf3Y4ge8A0TwYQ%3D%3D
IC_1: library part CMP-0069-00094-3, "SIMPLE SWITCHER® 1A Step-Down Voltage Regulator, 5-pin TO-263, Pb-Free", Manufacturer="Texas Instruments", PackageTopMarking="NSUZXYTTE#*LM2575HVS*-12 P+", PowerWise=N, Code_JEDEC=MO-169-AB, ComponentLink1Description="Datasheet URL", ComponentLink1URL=http://www.ti.com/general/docs/lit/getliterature.tsp?genericPartNumber=LM2575HV&fileType=pdf, CompType=Switcher, PackageDescription="TO-263, Molded, .400 x .390 x .180in, 5 Lead, .067in Pitch, Surface Mount", PackageReference=KTT0005B, PinCount=5, RoHS=Y
IC_2: library part CMP-04917-000003-1, "IC REG LIN 3.3V 1A DDPAK/TO263-3", Dropout Voltage=0.5V, Manufacturer="Texas Instruments", Max Junction Temp=+125°C, Max Supply Voltage=5.5V, Min Supply Voltage=4.5V, Nominal Supply Current=10-110mA, Output Current=1A, Output Voltage=3.3V, Package=KTT0003B, Temperature="-40°C to +125°C", Temperature Range Low=-40°C, Accuracy Percentage=2.5%, Automotive=No, Category=IC, ComponentLink2Description=Datasheet, ComponentLink2URL=http://www.ti.com/lit/ds/symlink/lm3940.pdf, Device Class L1="Integrated Circuits (ICs)", Device Class L2="Power Management ICs", Device Class L3="Voltage Regulators - Linear", Digikey Description="IC REG LIN 3.3V 1A DDPAK/TO263-3", Height=4.79mm, Lead Free=Yes, Manufacturer Part Number=LM3940ISX-3.3/NOPB, Mouser Description="LDO Voltage Regulators 1A LDO REG", Number Of Outputs=1, Octopart=https://octopart.com/lm3940isx-3.3%2Fnopb-texas+instruments-24814218, Output Type=Fixed, RoHS=TRUE, Standoff Height=0mm, Temperature Range High=+125°C
IC_3: library part CMP-0244-00192-1, "Precision 500mA Regulator, 5V, 3-Pin DPAK, Tape and Reel", ComponentLink1Description="Manufacturer URL", ComponentLink1URL=http://www.st.com, ComponentLink2Description=Datasheet, ComponentLink2URL=http://www.st.com/internet/com/TECHNICAL_RESOURCES/TECHNICAL_LITERATURE/DATASHEET/CD00000448.pdf, DatasheetVersion=1/11/2010, PackageDescription="3-Pin Transistor Outline Package 2.28 mm Pitch, 9.7 mm Lead Span (DPAK)", PackageReference=TO-252, PackageVersion=2011
IC_4: library part CMP-05720-000003-1, "IC VREF SERIES 0.2% SOT23-3", Case/Package=SOT-23-3, Max Input Voltage=6V, Max Operating Temperature=85°C, Max Output Current=1mA, Min Operating Temperature=-40°C, Min Output Voltage=1.6V, Operating Supply Current=6uA, Package Quantity=1, Quiescent Current=5uA, Temperature Coefficient=50ppm/°C, Tolerance=0.2%, Lead Free="Lead Free", Mount="Surface Mount", Number of Channels=1, Number of Pins=3, Output Current=1mA, Output Type=Fixed, Output Voltage=1.6V, Packaging="Tape and Reel", Radiation Hardening=No, Reference Type=Series, Reference Voltage=1.6V
J1: "Connector", Manufacturer_Name=SAMTEC, Mouser Part Number=200-CLM10702LDKTR, Arrow Part Number=CLM-107-02-L-D-K-TR, Arrow Price/Stock=https://www.arrow.com/en/products/clm-107-02-l-d-k-tr/samtec, Datasheet Link=http://suddendocs.samtec.com/prints/clm-1xx-xx-xx-d-xx-mkt.pdf, Manufacturer_Part_Number=CLM-107-02-L-D-K-TR, Mouser Price/Stock=https://www.mouser.co.uk/ProductDetail/Samtec/CLM-107-02-L-D-K-TR?qs=0lQeLiL1qyaVnfWTja1Tqg%3D%3D
L1: library part CMP-1392-00038-1, "Power Multilayer Inductor WE-PMI, L=10.0 µH", Inductance="10.0 ÂµH", Manufacturer="Wuerth Elektronik", ComponentLink1Description="Manufacturer URL", ComponentLink1URL=http://www.we-online.com, ComponentLink2Description=Datasheet, ComponentLink2URL=http://katalog.we-online.de/kataloge/eisos/media/pdf/74479777310.pdf, PackageReference="SMD 0805_A", PartNumber=74479777310
L2 L3 L4 L5: library part CMP-006-00021-3, "Ansys 3D Model"
LED1 LED2 LED3 LED4: library part CMP-1426-00002-1, "SMD mono-color Chip LED, WL-SMCW, Green", Color=Green, Manufacturer="Wuerth Elektronik", ComponentLink1Description="Manufacturer URL", ComponentLink1URL=http://www.we-online.com, ComponentLink2Description=Datasheet, ComponentLink2URL=http://katalog.we-online.com/led/datasheet/150060GS75000.pdf, PackageReference=0603_A, PartNumber=150060GS75000
MP1 MP2 MP3 MP4 MP5 MP6: library part 7461057, "WP-BUTR Press-Fit with Internal thread, two rows, 7x7mm, 6 pins, M3x5mm, 100A", Operating Temperature="-55 to +150degC", Rated Current=100A, ComponentLink1Description=Manufacturer, ComponentLink1URL=http://www.we-online.de, ComponentLink2Description=Datasheet, ComponentLink2URL=https://katalog.we-online.com/em/datasheet/7461057.pdf, Height=6mm, Material=Brass, Mounting Technology=Press-Fit, Packaging=Bulk, Part Number=7461057, Pin Number=6, Published Date="September 2019", Publisher="Wurth Elektronik", Size=7x7mm, Surface=Tin, Thread=M3, Thread Length=5mm
Q1 Q2 Q3 Q4 Q5 Q6 Q7 Q8: "Insulated-Gate Field-Effect Transistor (IGFET), N-Channel, Enhancement, Body Diode, Pin 1 Gate, 2-8 Source, 9 Drain, 9 Pins", Manufacturer="Infineon Technologies", ManufacturerPartNumber=IPT026N10N5, PackageReference=PG-HSOF-8-1
R1: library part CMP-009-00018-4, "Chip Resistor, 10 KOhm, +/- 1%, 125 mW, -55 to 155 degC, 0805 (2012 Metric)", Case/Package=0603, Max Operating Temperature=155°C, Min Operating Temperature=-55°C, Power=125mW, Tolerance=1%, Voltage Rating=150V, Mounting Technology=SM, Pins=2, RoHS Compliant=True
R2: library part CMP-009-00076-1, "1K 0.125W 5% 0805 (2012 Metric)  SMD", Case/Package=0603, Power=0.125W, Tolerance=5%, Mounting Technology=SMT, Pins=2
R3 R6: library part CMP-2000-02920-1, Manufacturer="Vishay Dale", Part Number=CRCW060315K0FKEA
R4: library part CMP-2000-03568-1, Manufacturer="Vishay Dale", Part Number=CRCW0603750RFKEA
R5: library part CMP-02407-003384-1, "RES Thick Film, 3kΩ, 1%, 0.1W, 100ppm/°C, 0603", Case Code (Imperial)=0603, Case Code (Metric)=1608, Max Operating Temperature=155°C, Max Power Dissipation=100mW, Min Operating Temperature=-55°C, Package Quantity=10, Resistance=3kR, Temperature Coefficient=100ppm/°C, Tolerance=1%, Voltage Rating=75V, Case/Package=0603, Composition="Thick Film", Contact Plating=Tin, Depth=0.85mm, Features="Automotive AEC-Q200", Height=0.45mm, Lead Free="Lead Free", Length=1.55mm, Military Standard=Not, Mount="Surface Mount", Number of Terminations=2, Packaging="Tape and Reel", Power Rating=100mW, Radiation Hardening=No, Termination=SMD/SMT, Voltage Rating (DC)=75V, Weight=7.1E-05oz, Width=0.85mm
R7 R52: library part CMP-009-00102-1, "470R 0.125W 5% 0805 (2012 Metric)  SMD", Case/Package=0603, Power=0.125W, Tolerance=5%, Mounting Technology=SMT, Pins=2
R8: library part CMP-009-00102-1, "470R 0.125W 5% 0805 (2012 Metric)  SMD", Case/Package=0402, Power=0.125W, Tolerance=5%, Mounting Technology=SMT, Pins=2
R9 R13 R14 R16 R18 R23 R24 R26 R28 R33 R34 R36 R38 R43 R44 R46: library part CMP-2000-00844-1, Manufacturer=Panasonic, Part Number=ERJ-3RQF1R8V
R10 R11 R12 R48: library part CMP-02407-005782-1, "RES Thick Film, 1.8kΩ, 1%, 0.1W, 100ppm/°C, 0603", Case Code (Imperial)=0603, Case Code (Metric)=1608, Max Operating Temperature=155°C, Max Power Dissipation=100mW, Min Operating Temperature=-55°C, Package Quantity=5000, Resistance=1.8kR, Temperature Coefficient=100ppm/°C, Tolerance=1%, Voltage Rating=75V, Case/Package=0603, Composition="Thick Film", Contact Plating=Tin, Depth=0.85mm, Features="Automotive AEC-Q200", Height=0.45mm, Lead Free="Lead Free", Length=1.55mm, Military Standard=Not, Number of Terminations=2, Packaging="Tape and Reel", Power Rating=100mW, Radiation Hardening=No, Termination=SMD/SMT, Voltage Rating (DC)=75V, Weight=7.1E-05oz, Width=0.033inch
R15 R17 R25 R27 R35 R37 R45 R47: library part CMP-009-00017-4, "Chip Resistor, 10 KOhm, +/- 1%, 01 W, -55 to 155 degC, 0603 (1608 Metric)", Case/Package=0603, Max Operating Temperature=155°C, Min Operating Temperature=-55°C, Power=100mW, Tolerance=1%, Voltage Rating=50V, Mounting Technology=SM, Pins=2, RoHS Compliant=True
R19 R29 R39 R49: library part CMP-2001-04185-1, Manufacturer="Vishay Dale", Part Number=CRCW08050000Z0EAHP
R20 R30 R40 R50: "Resistor", Manufacturer_Name=Vishay, Mouser Part Number=71-WSK12161L000FEA, Arrow Part Number=WSK12161L000FEA, Arrow Price/Stock=https://www.arrow.com/en/products/wsk12161l000fea/vishay, Datasheet Link=http://www.vishay.com/docs/30189/wsk1216.pdf, Height=1.9mm, Manufacturer_Part_Number=WSK12161L000FEA, Mouser Price/Stock=https://www.mouser.co.uk/ProductDetail/Vishay-Dale/WSK12161L000FEA?qs=jj7GbYRQuOayzWPPW7c8og%3D%3D
R21 R31 R41 R51: library part CMP-1012-00228-3, "RES Thick Film, 3.3Ω, 1%, 0.1W, 100ppm/°C, 0603", Case Code (Imperial)=0603, Case Code (Metric)=1608, Max Operating Temperature=155°C, Max Power Dissipation=100mW, Min Operating Temperature=-55°C, Package Quantity=10, Resistance=3.3R, Temperature Coefficient=100ppm/°C, Tolerance=1%, Voltage Rating=75V, Case/Package=0603, Composition="Thick Film", Contact Plating=Tin, Depth=0.85mm, Features="Automotive AEC-Q200", Height=0.02inch, Lead Free="Lead Free", Length=1.55mm, Military Standard=Not, Number of Terminations=2, Packaging="Tape and Reel", Power Rating=100mW, Radiation Hardening=No, REACH SVHC="No SVHC", Termination=SMD/SMT, Voltage Rating (DC)=75V, Weight=7.1E-05oz, Width=0.85mm
R22 R32 R42: library part CMP-009-00102-1, "470R 0.125W 5% 0805 (2012 Metric)  SMD", Case/Package=0805, Power=0.125W, Tolerance=5%, Mounting Technology=SMT, Pins=2
RT1 RT2 RT3 RT4: library part CMP-2000-03675-1, Manufacturer="Vishay Dale", Part Number=TFPT0603L1001FV
U1 U2 U3 U4: library part CMP-0359-03344-2, "Single Channel, High Voltage, Bidirectional Current Sense Amplifier, 2 MHz Typical GBW, 3 V/us Typical SR, 4.5 to 5.5 V, 8-Pin SOIC (S8-8), High Temperature / Automotive, Pb-Free, Reel", Linear Technology Part Number=LT1999-20, Manufacturer="Linear Technology", Channels (#)=1, ComponentLink1Description="Manufacturer URL", ComponentLink1URL=http://www.linear.com/, ComponentLink2Description=Datasheet, ComponentLink2URL=http://cds.linear.com/docs/en/datasheet/1999fb.pdf, ComponentLink3Description="Package Specification", ComponentLink3URL=http://cds.linear.com/docs/en/packaging/05081610_G_SO8.pdf, DatasheetVersion="Rev. B", GBW (MHz) Typical=2, Is (mA) Typical=1.55, Mounting Technology="Surface Mount", PackageDescription="8-Pin Plastic Small Outline, Body 4.9 x 3.9 mm, Pitch 1.27 mm", PackageReference=LT-S8-8, PackageVersion="Rev G", Packing=Reel, PartNumber=LT1999HS8-20#TRPBF, RevisionNote="URLs updated", RoHS=Pb-Free, SR (V/us) Typical=3, Type=CSA, Vos (mV) Typical=0.5, Vs Max (V)=5.5, Vs Min (V)=4.5
U_C1: library part CMP-020-00024-7, "F28379D CONTROLCARD FOR C2000 RE", Evaluation Kit=Yes
Z1 Z2 Z3 Z4 Z5 Z6 Z7 Z8 Z9 Z10: "Zener Diode", Manufacturer_Name="ROHM Semiconductor", Mouser Part Number=755-YFZVFHTR4.3B, Datasheet Link=https://componentsearchengine.com/Datasheets/2/YFZVFHTR4.3B.pdf, Height=0.8mm, Manufacturer_Part_Number=YFZVFHTR4.3B, Mouser Price/Stock=https://www.mouser.co.uk/ProductDetail/ROHM-Semiconductor/YFZVFHTR43B?qs=4v%252BiZTmLVHGVnMzHBrJLew%3D%3D

## Via types
v1: diameter 0.65/0.65/0.65/0.65 (per signal layer), hole 0.3, Top Layer to Bottom Layer, 1060 vias
v2: diameter 0.6/0.6/0.6/0.6 (per signal layer), hole 0.3, Top Layer to Bottom Layer, 739 vias
v3: diameter 0.65, hole 0.3, Top Layer to Bottom Layer, 572 vias
v4: diameter 0.6/0.6/0.6/0.6 (per signal layer), hole 0.25, Top Layer to Bottom Layer, 142 vias
v5: diameter 0.6, hole 0.25, Top Layer to Bottom Layer, 23 vias
v6: diameter 0.6, hole 0.3, Top Layer to Bottom Layer, 7 vias

## Nets (pads, with @x,y where several pads share a name; then routed paths per layer and width w, separated by ;. In a path a pad name is that pad's centre, name@x,y a point inside that pad or via, vN(x,y) a via of type N, cw(c..) or ccw(c..) an arc to the next point about the centre after c; other vN are vias at no path point)
1V6: C41.1 C46.1 C54.1 C61.1 C68.1 IC_4.2 U1.6 U2.6 U3.6 U4.6 | length 158.8
  Int2 (PWR) w0.8: v4(82.931,98.171) v4(109.855,98.171) 141.986,98.171 v4(142.113,98.044) 142.24,98.171 v2(173.99,98.171)
  Bottom Layer w0.4: U1.6@74.967,89.154 77.764,89.154 C41.1@78.232,89.622 ; U2.6@106.59,89.154 107.571,89.154 108.037,89.62 109.853,89.62 C54.1@109.855,89.622 ; U3.6@138.34,89.154 139.321,89.154 139.789,89.622 C61.1@141.605,89.622 ; U4.6@170.471,89.154 173.268,89.154 C68.1@173.736,89.622
  Bottom Layer w0.8: 73.916,89.156 72.784,90.287 72.784,90.561 75.38,93.157 78.428,93.157 81.184,95.914 C46.1@81.091,96.007 81.343,96.259 IC_4.2@81.343,97.497 ; U1.6@74.167,89.154 U1.6@74.967,89.154 ; IC_4.2@81.406,97.729 81.531,97.854 82.614,97.854 v4(82.931,98.171) ; U2.6@106.554,89.154 105.791,89.154 104.95,89.995 104.95,90.819 105.509,91.378 105.602,91.378 109.855,95.631 v4(109.855,98.171) ; U3.6@138.34,89.154 U3.6@138.24,89.154 137.79,89.154 137.474,89.47 137.195,89.47 136.636,90.029 136.636,90.819 137.195,91.378 137.408,91.378 142.113,96.083 v4(142.113,98.044) ; U4.6@170.371,89.154 169.921,89.154 169.605,89.47 169.326,89.47 168.767,90.029 168.767,90.819 169.326,91.378 169.539,91.378 173.99,95.829 v2(173.99,98.171)
3V3: C33.1 C42.1 C45.1 IC_2.3 IC_4.1 J1.5 | length 130.5
  Top Layer w0.4: v4(52.451,35.941) 52.459,35.933 52.459,34.502 J1.5@52.467,34.494
  Top Layer w0.8: v4(42.164,62.611) 43.878,64.325 51.498,64.325 v4(53.086,65.913)
  Int2 (PWR) w0.8: v4(52.832,106.553) 52.959,106.553 54.356,107.95 70.312,107.95 72.763,105.499 76.111,105.499 78.232,103.378 v4(78.486,103.378)
  Bottom Layer w0.4: IC_2.3@41.275,45.205 41.275,40.894 44.323,37.846 50.546,37.846 v4(52.451,35.941)
  Bottom Layer w0.8: C33.1@36.957,53.721 36.727,53.721 35.653,54.795 35.653,57.538 40.726,62.611 v4(42.164,62.611) ; v4(52.832,106.553) 52.832,66.167 v4(53.086,65.913) ; v4(78.486,103.378) 79.154,104.046 80.478,104.046 80.999,103.525 80.999,103.338 C45.1@81.345,102.992 81.345,101.214 81.407,101.152 IC_4.1@81.407,99.754
  Bottom Layer w0.9: C33.1@36.957,53.721 36.957,50.068 41.275,45.75 IC_2.3@41.275,45.205